# Altium PCB 2012_FDP_PCB.PcbDoc (part 1 of 3) (continued)
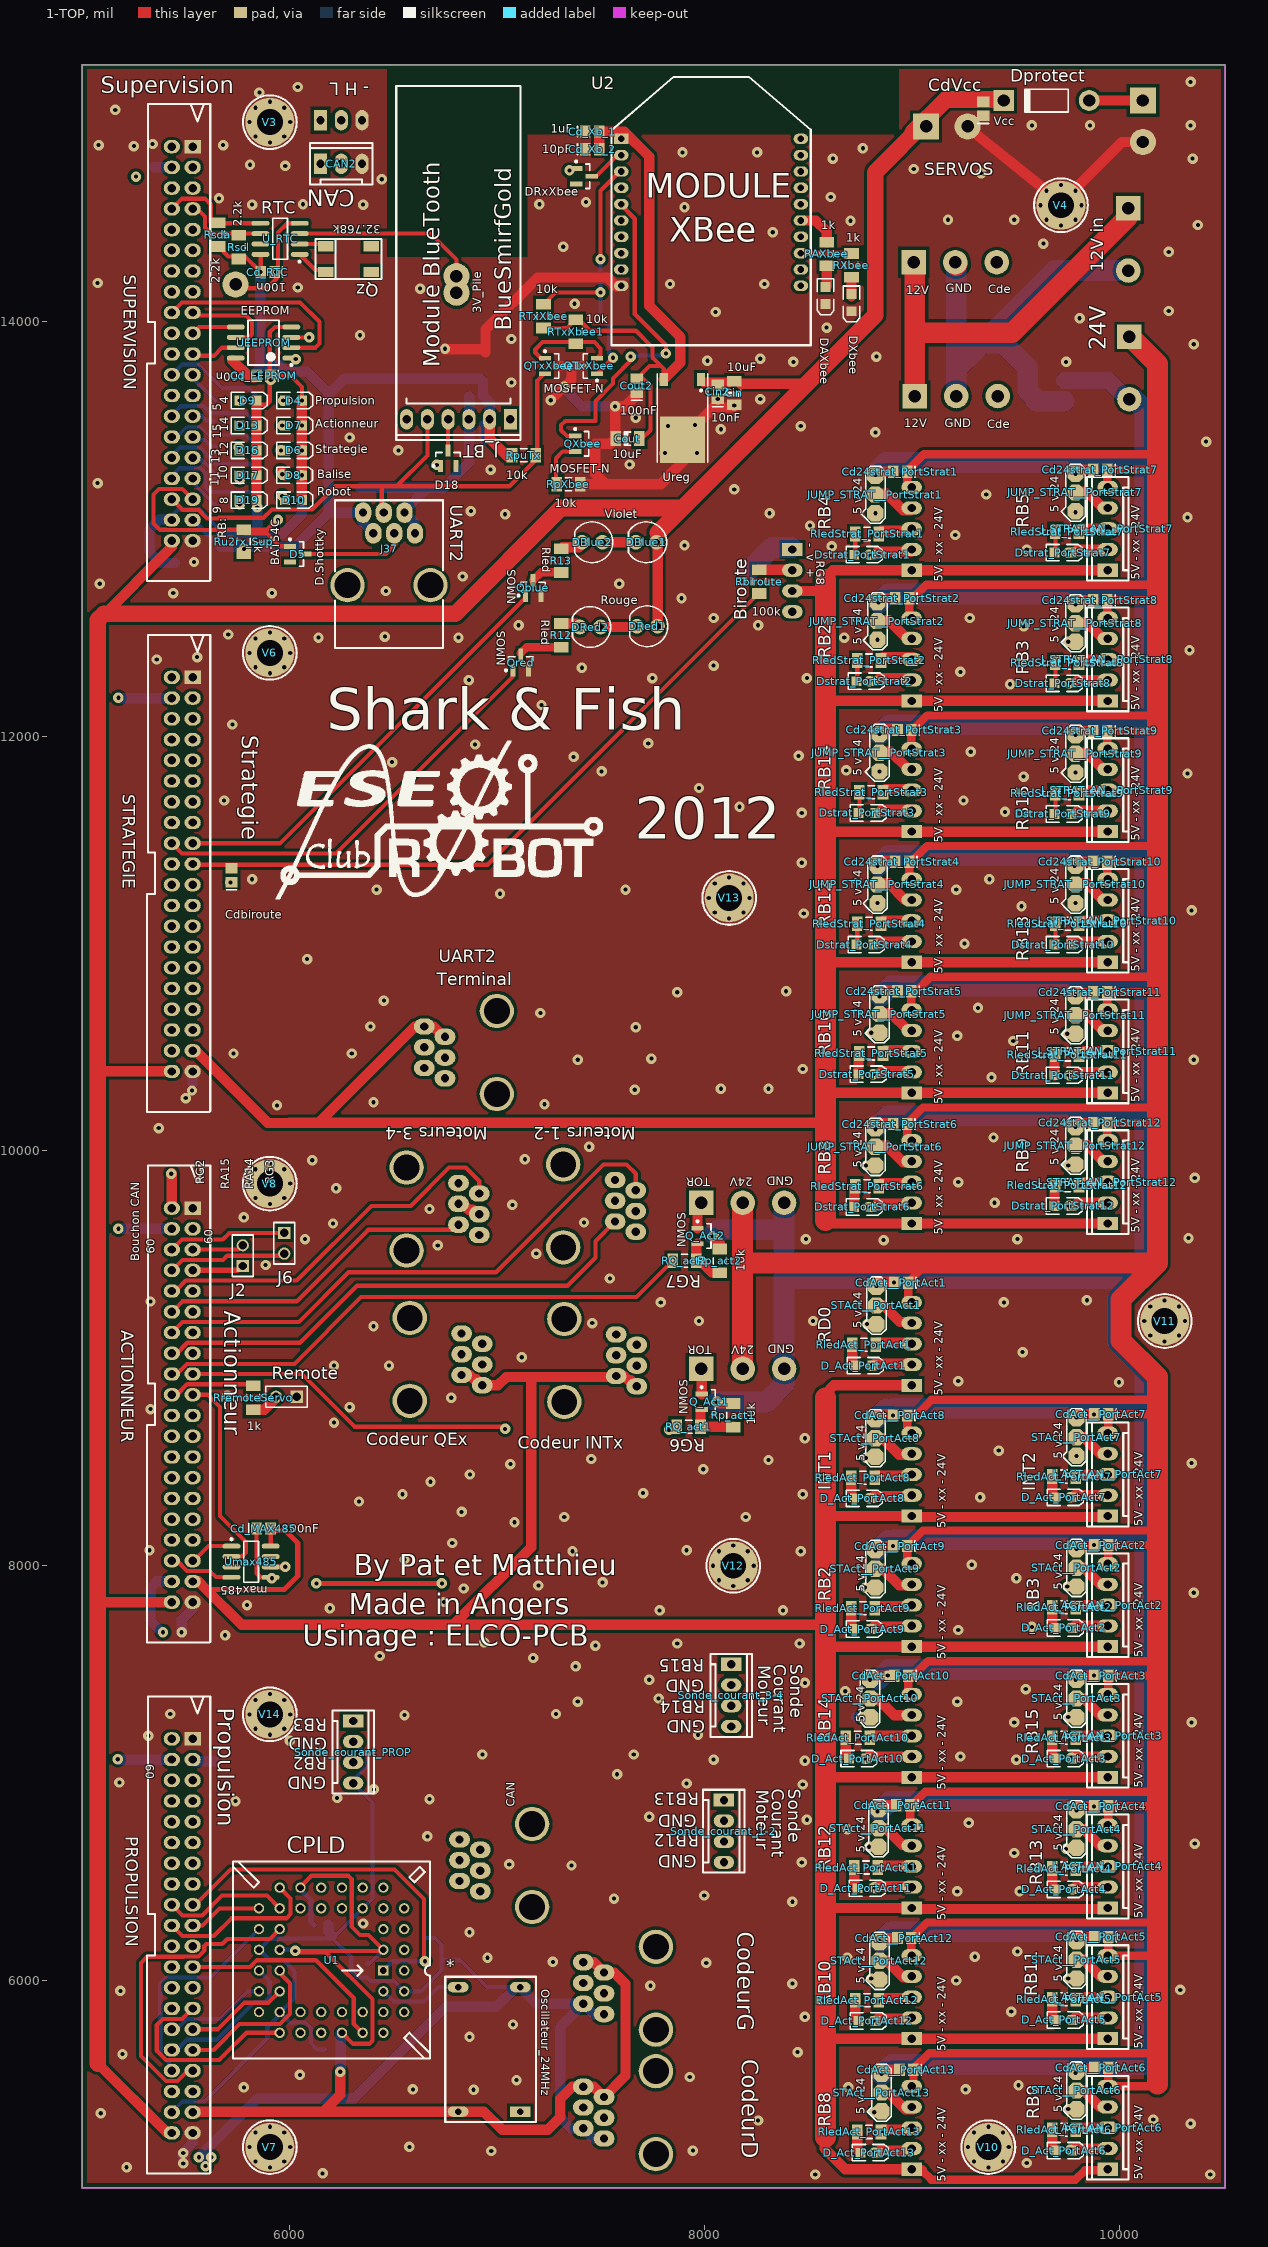
[diagram p0: 1-TOP view]
## Classes and differential pairs
channel class 2012_FDP_Generic_Port_Strat: PortStrat1 PortStrat2 PortStrat3 PortStrat4 PortStrat5 PortStrat6 PortStrat7 PortStrat8 PortStrat9 PortStrat10 PortStrat11 PortStrat12
channel class 2012_FDP_Generic_Port_Act: PortAct1 PortAct2 PortAct3 PortAct4 PortAct5 PortAct6 PortAct7 PortAct8 PortAct9 PortAct10 PortAct11 PortAct12 PortAct13
component class PortStrat12: Cd24strat_PortStrat12 Dstrat_PortStrat12 J_STRAT_AN__PortStrat12 JUMP_STRAT__PortStrat12 RledStrat_PortStrat12
component class PortStrat11: Cd24strat_PortStrat11 Dstrat_PortStrat11 J_STRAT_AN__PortStrat11 JUMP_STRAT__PortStrat11 RledStrat_PortStrat11
component class PortStrat10: Cd24strat_PortStrat10 Dstrat_PortStrat10 J_STRAT_AN__PortStrat10 JUMP_STRAT__PortStrat10 RledStrat_PortStrat10
component class PortStrat9: Cd24strat_PortStrat9 Dstrat_PortStrat9 J_STRAT_AN__PortStrat9 JUMP_STRAT__PortStrat9 RledStrat_PortStrat9
component class PortStrat8: Cd24strat_PortStrat8 Dstrat_PortStrat8 J_STRAT_AN__PortStrat8 JUMP_STRAT__PortStrat8 RledStrat_PortStrat8
component class PortStrat7: Cd24strat_PortStrat7 Dstrat_PortStrat7 J_STRAT_AN__PortStrat7 JUMP_STRAT__PortStrat7 RledStrat_PortStrat7
component class PortStrat6: Cd24strat_PortStrat6 Dstrat_PortStrat6 J_STRAT_AN__PortStrat6 JUMP_STRAT__PortStrat6 RledStrat_PortStrat6
component class PortStrat5: Cd24strat_PortStrat5 Dstrat_PortStrat5 J_STRAT_AN__PortStrat5 JUMP_STRAT__PortStrat5 RledStrat_PortStrat5
component class PortStrat4: Cd24strat_PortStrat4 Dstrat_PortStrat4 J_STRAT_AN__PortStrat4 JUMP_STRAT__PortStrat4 RledStrat_PortStrat4
component class PortStrat3: Cd24strat_PortStrat3 Dstrat_PortStrat3 J_STRAT_AN__PortStrat3 JUMP_STRAT__PortStrat3 RledStrat_PortStrat3
component class PortStrat2: Cd24strat_PortStrat2 Dstrat_PortStrat2 J_STRAT_AN__PortStrat2 JUMP_STRAT__PortStrat2 RledStrat_PortStrat2
component class PortStrat1: Cd24strat_PortStrat1 Dstrat_PortStrat1 J_STRAT_AN__PortStrat1 JUMP_STRAT__PortStrat1 RledStrat_PortStrat1
component class PortAct13: CdAct__PortAct13 D_Act_PortAct13 J_ACT_AN__PortAct13 RledAct_PortAct13 STAct__PortAct13
component class PortAct12: CdAct__PortAct12 D_Act_PortAct12 J_ACT_AN__PortAct12 RledAct_PortAct12 STAct__PortAct12
component class PortAct11: CdAct__PortAct11 D_Act_PortAct11 J_ACT_AN__PortAct11 RledAct_PortAct11 STAct__PortAct11
component class PortAct10: CdAct__PortAct10 D_Act_PortAct10 J_ACT_AN__PortAct10 RledAct_PortAct10 STAct__PortAct10
component class PortAct9: CdAct__PortAct9 D_Act_PortAct9 J_ACT_AN__PortAct9 RledAct_PortAct9 STAct__PortAct9
component class PortAct8: CdAct__PortAct8 D_Act_PortAct8 J_ACT_AN__PortAct8 RledAct_PortAct8 STAct__PortAct8
component class PortAct7: CdAct__PortAct7 D_Act_PortAct7 J_ACT_AN__PortAct7 RledAct_PortAct7 STAct__PortAct7
component class PortAct6: CdAct__PortAct6 D_Act_PortAct6 J_ACT_AN__PortAct6 RledAct_PortAct6 STAct__PortAct6
component class PortAct5: CdAct__PortAct5 D_Act_PortAct5 J_ACT_AN__PortAct5 RledAct_PortAct5 STAct__PortAct5
component class PortAct4: CdAct__PortAct4 D_Act_PortAct4 J_ACT_AN__PortAct4 RledAct_PortAct4 STAct__PortAct4
component class PortAct3: CdAct__PortAct3 D_Act_PortAct3 J_ACT_AN__PortAct3 RledAct_PortAct3 STAct__PortAct3
component class PortAct2: CdAct__PortAct2 D_Act_PortAct2 J_ACT_AN__PortAct2 RledAct_PortAct2 STAct__PortAct2
component class PortAct1: CdAct__PortAct1 D_Act_PortAct1 J_ACT_AN__PortAct1 RledAct_PortAct1 STAct__PortAct1
net class STRAT_IN_OUT[0..12]: STRAT_IN_OUT1 STRAT_IN_OUT2 STRAT_IN_OUT3 STRAT_IN_OUT4 STRAT_IN_OUT5 STRAT_IN_OUT6 STRAT_IN_OUT7 STRAT_IN_OUT8 STRAT_IN_OUT9 STRAT_IN_OUT10 STRAT_IN_OUT11 STRAT_IN_OUT12
net class ACT_IN_OUT[0..13]: ACT_IN_OUT1 ACT_IN_OUT2 ACT_IN_OUT3 ACT_IN_OUT4 ACT_IN_OUT5 ACT_IN_OUT6 ACT_IN_OUT7 ACT_IN_OUT8 ACT_IN_OUT9 ACT_IN_OUT10 ACT_IN_OUT11 ACT_IN_OUT12 ACT_IN_OUT13
component class 2012_FDP_SCHEMA: * ACTIONNEUR CAN CAN2 Cd1_CPLD Cd2_CPLD Cd3_CPLD Cd4_CPLD Cd_BT_1 Cd_BT_2 Cd_EEPROM Cd_MAX485 Cd_RTC Cd_Xb_1 Cd_Xb_2 Cdbiroute CdVcc Cin Cin2 Cout Cout2 CR2032 D4 D5 D6 D7 D8 D9 D10 D11 D12 D13 D14 D15 D16 D17 D18 D19 D? DAXbee DBlue1 DBlue2 Dprotect DRed1 DRed2 DRxXbee DXbee J2 J3 J6 J15 J18 J19 J21 J24 J31 J37 J? J_8V_in J_12V_in J_ACT_COD_INT J_ACT_COD_QEx J_ACT_MOT12 J_ACT_MOT_34 J_BIROUTE J_BT J_U2ST JalimBal JalimeBlal24V JcodDroite JcodGauche JMotProp P3 P? PROPULSION Q_Act1 Q_Act2 Qblue Qred QTxXbee QTxXbee1 QXbee Qz R4 R5 R6 R7 R8 R9 R10 R11 R12 R13 R14 R15 R16 R? RAXbee Rbiroute RcanB1 RcanB2 RcanB3 RcanB4 RcanB? Remote Rp_act1 Rp_act2 RpuTx RpXbee RQ_act1 RQ_act2 RremoteServo RrstCpld Rscl Rsda RTxXbee RTxXbee1 Ru2rx_Sup RXbee S1 S2 Sonde_courant_1-2 Sonde_courant_3-4 Sonde_courant_PROP SR1 SR2 ST4 ST? St_GND STAct STProp STRATEGIE STStrat STSup SUPERVISION TR1 U1 U2 U7 U_RTC UEEPROM Umax485 Ureg V3 V4 V6 V7 V8 V10 V11 V12 V13 V14

## Components (designator, comment, footprint, x,y, rotation, side; value= is the part's Value field where it differs from the comment)
* "Oscillateur CPLD" DIL14_OSCILLATEUR 7113.07,5368.15 r180 top
ACTIONNEUR "ACTIONNEUR" HE10/40_MAL_DROIT-FDP-ROBOT 5433.07,9724.41 r270 top locked
CAN "BARRETTE3" HE14_3 6150,14970 r0 bottom
CAN2 "BARRETTE3" HE14_3 6150,14760 r0 top
Cd1_CPLD "Condensateur" C0805_N 6373.07,6048.15 r90 bottom
Cd2_CPLD "Condensateur" C0805_N 6033.07,6188.15 r270 bottom
Cd3_CPLD "Condensateur" C0805_N 6213.07,5668.15 r0 bottom
Cd4_CPLD "Condensateur" C0805_N 6153.07,6268.15 r180 bottom
Cd24strat_PortStrat1 "10nF" C0805_N 8945,13275 r180 top (schematic designator Cd24strat)
Cd24strat_PortStrat2 "10nF" C0805_N 8955,12665 r180 top (schematic designator Cd24strat)
Cd24strat_PortStrat3 "10nF" C0805_N 8965,12030 r180 top (schematic designator Cd24strat)
Cd24strat_PortStrat4 "10nF" C0805_N 8955,11395 r180 top (schematic designator Cd24strat)
Cd24strat_PortStrat5 "10nF" C0805_N 8965,10770 r180 top (schematic designator Cd24strat)
Cd24strat_PortStrat6 "10nF" C0805_N 8945,10130 r180 top (schematic designator Cd24strat)
Cd24strat_PortStrat7 "10nF" C0805_N 9910,13285 r180 top (schematic designator Cd24strat)
Cd24strat_PortStrat8 "10nF" C0805_N 9910,12655 r180 top (schematic designator Cd24strat)
Cd24strat_PortStrat9 "10nF" C0805_N 9910,12025 r180 top (schematic designator Cd24strat)
Cd24strat_PortStrat10 "10nF" C0805_N 9910,11395 r180 top (schematic designator Cd24strat)
Cd24strat_PortStrat11 "10nF" C0805_N 9910,10765 r180 top (schematic designator Cd24strat)
Cd24strat_PortStrat12 "10nF" C0805_N 9910,10135 r180 top (schematic designator Cd24strat)
Cd_BT_1 "10uF" C0805_N 6900,13638.07 r0 bottom
Cd_BT_2 "100nF" C0805_N 6900,13413.07 r0 bottom
Cd_EEPROM "100nF" C0805_N 5875,13738.07 r180 top
Cd_MAX485 "100nF" C0805_N 5875,8179.41 r0 top
Cd_RTC "100nF" C0805_N 5895,14238.07 r180 top
Cd_Xb_1 "1uF" C0805_N 7460,14915 r0 top
Cd_Xb_2 "10pF" C0805_N 7460,14830 r0 top
CdAct__PortAct1 "10nF" C0805_N 8950,9365 r180 top (schematic designator CdAct_)
CdAct__PortAct2 "10nF" C0805_N 9915,8100 r180 top (schematic designator CdAct_)
CdAct__PortAct3 "10nF" C0805_N 9915,7470 r180 top (schematic designator CdAct_)
CdAct__PortAct4 "10nF" C0805_N 9915,6840 r180 top (schematic designator CdAct_)
CdAct__PortAct5 "10nF" C0805_N 9915,6210 r180 top (schematic designator CdAct_)
CdAct__PortAct6 "10nF" C0805_N 9915,5580 r180 top (schematic designator CdAct_)
CdAct__PortAct7 "10nF" C0805_N 9915,8730 r180 top (schematic designator CdAct_)
CdAct__PortAct8 "10nF" C0805_N 8945,8725 r180 top (schematic designator CdAct_)
CdAct__PortAct9 "10nF" C0805_N 8945,8095 r180 top (schematic designator CdAct_)
CdAct__PortAct10 "10nF" C0805_N 8950,7470 r180 top (schematic designator CdAct_)
CdAct__PortAct11 "10nF" C0805_N 8960,6845 r180 top (schematic designator CdAct_)
CdAct__PortAct12 "10nF" C0805_N 8965,6205 r180 top (schematic designator CdAct_)
CdAct__PortAct13 "10nF" C0805_N 8975,5570 r180 top (schematic designator CdAct_)
Cdbiroute "Condensateur" C0805_N 5720,11330 r90 top
CdVcc "Condensateur" C0805_N 9345,15025 r90 top
Cin "10uF" C1206_N 8145,13655 r90 top
Cin2 "10nF" C0805_N 8065,13660 r90 top
Cout "10uF" C1206_N 7630,13435 r0 top
Cout2 "100nF" C0805_N 7675,13690 r90 top
CR2032 "battery" Pile_boutton 5740,14178.07 r0 bottom (schematic designator Batt1)
D4 "LED" LED_0805 6020,13618.07 r0 top
D5 "D.Shottky" SOT23-3N 6040,12878.07 r0 top
D6 "LED" LED_0805 6020,13378.07 r0 top
D7 "LED" LED_0805 6020,13498.07 r0 top
D8 "LED" LED_0805 6018.66,13258.07 r0 top
D9 "LED" LED_0805 5800,13618.07 r0 top
D10 "LED" LED_0805 6020,13138.07 r0 top
D13 "LED" LED_0805 5800,13498.07 r0 top
D16 "LED" LED_0805 5800,13378.07 r0 top
D17 "LED" LED_0805 5800,13258.07 r0 top
D18 "Diode Shottky double BAT54C" SOT23-3N 6765,13340 r90 top
D19 "LED" LED_0805 5800,13138.07 r0 top
D_Act_PortAct1 "LED" LED_0805 8770,8965 r0 top (schematic designator D_Act)
D_Act_PortAct2 "LED" LED_0805 9735,7700 r0 top (schematic designator D_Act)
D_Act_PortAct3 "LED" LED_0805 9735,7070 r0 top (schematic designator D_Act)
D_Act_PortAct4 "LED" LED_0805 9735,6440 r0 top (schematic designator D_Act)
D_Act_PortAct5 "LED" LED_0805 9735,5810 r0 top (schematic designator D_Act)
D_Act_PortAct6 "LED" LED_0805 9735,5180 r0 top (schematic designator D_Act)
D_Act_PortAct7 "LED" LED_0805 9735,8330 r0 top (schematic designator D_Act)
D_Act_PortAct8 "LED" LED_0805 8765,8325 r0 top (schematic designator D_Act)
D_Act_PortAct9 "LED" LED_0805 8765,7695 r0 top (schematic designator D_Act)
D_Act_PortAct10 "LED" LED_0805 8740,7070 r0 top (schematic designator D_Act)
D_Act_PortAct11 "LED" LED_0805 8780,6445 r0 top (schematic designator D_Act)
D_Act_PortAct12 "LED" LED_0805 8785,5805 r0 top (schematic designator D_Act)
D_Act_PortAct13 "LED" LED_0805 8795,5170 r0 top (schematic designator D_Act)
DAXbee "LED Jaune" LED_0805 8585,14125 r270 top (schematic designator DAssociateXbee)
DBlue1 "LED" LED_5mm 7720,12935 r90 top
DBlue2 "LED" LED_5mm 7460,12935 r90 top
Dprotect "Diode 1N4001" DIO10.46-5.3x2.8 9650,15065 r180 top
DRed1 "LED" LED_5mm 7725,12530 r90 top
DRed2 "LED" LED_5mm 7450,12526.3 r90 top
DRxXbee "Diode Shottky double BAT54C" SOT23-3N 7420,14700 r0 top
Dstrat_PortStrat1 "LED" LED_0805 8765,12875 r0 top (schematic designator Dstrat)
Dstrat_PortStrat2 "LED" LED_0805 8775,12265 r0 top (schematic designator Dstrat)
Dstrat_PortStrat3 "LED" LED_0805 8785,11630 r0 top (schematic designator Dstrat)
Dstrat_PortStrat4 "LED" LED_0805 8775,10995 r0 top (schematic designator Dstrat)
Dstrat_PortStrat5 "LED" LED_0805 8785,10370 r0 top (schematic designator Dstrat)
Dstrat_PortStrat6 "LED" LED_0805 8765,9730 r0 top (schematic designator Dstrat)
Dstrat_PortStrat7 "LED" LED_0805 9730,12885 r0 top (schematic designator Dstrat)
Dstrat_PortStrat8 "LED" LED_0805 9730,12255 r0 top (schematic designator Dstrat)
Dstrat_PortStrat9 "LED" LED_0805 9730,11625 r0 top (schematic designator Dstrat)
Dstrat_PortStrat10 "LED" LED_0805 9730,10995 r0 top (schematic designator Dstrat)
Dstrat_PortStrat11 "LED" LED_0805 9730,10365 r0 top (schematic designator Dstrat)
Dstrat_PortStrat12 "LED" LED_0805 9730,9735 r0 top (schematic designator Dstrat)
DXbee "LED Verte" LED_0805 8710,14090 r270 top
J2 "BARRETTE2" HDR1X2 5775,9445 r90 top
J6 "BARRETTE2" HDR1X2 5975,9605 r270 top
J37 "UART2 SUPERVISION" RJ11_6/6 6555,13078.07 r270 top
J_8V_in "8V" BORNIER2 10115,15065 r270 bottom
J_12V_in "0 - 12V" BORNIER2_FEM_COUDE 10045,14545 r270 bottom
J_ACT_AN__PortAct1 "ACT_AN" HE14_5 9000,8870 r90 bottom (schematic designator J_ACT_AN_)
J_ACT_AN__PortAct2 "ACT_AN" HE14_5 9945,7610 r90 top (schematic designator J_ACT_AN_)
J_ACT_AN__PortAct3 "ACT_AN" HE14_5 9945,6980 r90 top (schematic designator J_ACT_AN_)
J_ACT_AN__PortAct4 "ACT_AN" HE14_5 9945,6350 r90 top (schematic designator J_ACT_AN_)
J_ACT_AN__PortAct5 "ACT_AN" HE14_5 9945,5720 r90 top (schematic designator J_ACT_AN_)
J_ACT_AN__PortAct6 "ACT_AN" HE14_5 9945,5090 r90 top (schematic designator J_ACT_AN_)
J_ACT_AN__PortAct7 "ACT_AN" HE14_5 9945,8240 r90 top (schematic designator J_ACT_AN_)
J_ACT_AN__PortAct8 "ACT_AN" HE14_5 9000,8240 r90 bottom (schematic designator J_ACT_AN_)
J_ACT_AN__PortAct9 "ACT_AN" HE14_5 9000,7610 r90 bottom (schematic designator J_ACT_AN_)
J_ACT_AN__PortAct10 "ACT_AN" HE14_5 9000,6980 r90 bottom (schematic designator J_ACT_AN_)
J_ACT_AN__PortAct11 "ACT_AN" HE14_5 9000,6350 r90 bottom (schematic designator J_ACT_AN_)
J_ACT_AN__PortAct12 "ACT_AN" HE14_5 9000,5720 r90 bottom (schematic designator J_ACT_AN_)
J_ACT_AN__PortAct13 "ACT_AN" HE14_5 9000,5090 r90 bottom (schematic designator J_ACT_AN_)
J_ACT_COD_INT "CODEUR ACT IT" "RJ11_6/6 - droit" 7675,9065 r180 bottom
J_ACT_COD_QEx "CODEUR ACT QEx" "RJ11_6/6 - droit" 6930,9070 r180 bottom
J_ACT_MOT12 "MOTEUR 1-2" "RJ11_6/6 - droit" 6915,9795 r180 bottom
J_ACT_MOT_34 "MOTEUR 3-4" "RJ11_6/6 - droit" 7670,9810 r180 bottom
J_BIROUTE "BIROUTE" HE14_4 8425,12900 r270 bottom
J_BT "MHDR1X6" HE14_6 7065,13528.07 r180 top
J_STRAT_AN__PortStrat1 "STRAT_AN" HE14_5 9000,12800 r90 bottom (schematic designator J_STRAT_AN_)
J_STRAT_AN__PortStrat2 "STRAT_AN" HE14_5 9000,12170 r90 bottom (schematic designator J_STRAT_AN_)
J_STRAT_AN__PortStrat3 "STRAT_AN" HE14_5 9000,11540 r90 bottom (schematic designator J_STRAT_AN_)
J_STRAT_AN__PortStrat4 "STRAT_AN" HE14_5 9000,10910 r90 bottom (schematic designator J_STRAT_AN_)
J_STRAT_AN__PortStrat5 "STRAT_AN" HE14_5 9000,10280 r90 bottom (schematic designator J_STRAT_AN_)
J_STRAT_AN__PortStrat6 "STRAT_AN" HE14_5 9000,9650 r90 bottom (schematic designator J_STRAT_AN_)
J_STRAT_AN__PortStrat7 "STRAT_AN" HE14_5 9945,12800 r90 top (schematic designator J_STRAT_AN_)
J_STRAT_AN__PortStrat8 "STRAT_AN" HE14_5 9945,12170 r90 top (schematic designator J_STRAT_AN_)
J_STRAT_AN__PortStrat9 "STRAT_AN" HE14_5 9945,11540 r90 top (schematic designator J_STRAT_AN_)
J_STRAT_AN__PortStrat10 "STRAT_AN" HE14_5 9945,10910 r90 top (schematic designator J_STRAT_AN_)
J_STRAT_AN__PortStrat11 "STRAT_AN" HE14_5 9945,10280 r90 top (schematic designator J_STRAT_AN_)
J_STRAT_AN__PortStrat12 "STRAT_AN" HE14_5 9945,9650 r90 top (schematic designator J_STRAT_AN_)
J_U2ST "UART2 STRATEGIE" "RJ11_6/6 - droit" 6650,10400 r0 bottom
JalimBal "8V BALISE 2" BORNIER2 9070,14940 r0 bottom
JalimeBlal24V "24V_in" BORNIER2_FEM_COUDE 10050,13925 r270 bottom
JcodDroite "CODEUR2" "RJ11_6/6 - droit" 7416.85,5288.07 r0 bottom
JcodGauche "CODEUR1" "RJ11_6/6 - droit" 7416.85,5888.07 r0 bottom
JMotProp "PROPULSION" "RJ11_6/6 - droit" 6820,6480 r0 bottom
JUMP_STRAT__PortStrat1 "Goutte Strap_3" "Goutte Strap_3" 8825,13075 r90 top (schematic designator JUMP_STRAT_)
JUMP_STRAT__PortStrat2 "Goutte Strap_3" "Goutte Strap_3" 8835,12465 r90 top (schematic designator JUMP_STRAT_)
JUMP_STRAT__PortStrat3 "Goutte Strap_3" "Goutte Strap_3" 8845,11830 r90 top (schematic designator JUMP_STRAT_)
JUMP_STRAT__PortStrat4 "Goutte Strap_3" "Goutte Strap_3" 8835,11195 r90 top (schematic designator JUMP_STRAT_)
JUMP_STRAT__PortStrat5 "Goutte Strap_3" "Goutte Strap_3" 8845,10570 r90 top (schematic designator JUMP_STRAT_)
JUMP_STRAT__PortStrat6 "Goutte Strap_3" "Goutte Strap_3" 8825,9930 r90 top (schematic designator JUMP_STRAT_)
JUMP_STRAT__PortStrat7 "Goutte Strap_3" "Goutte Strap_3" 9790,13085 r90 top (schematic designator JUMP_STRAT_)
JUMP_STRAT__PortStrat8 "Goutte Strap_3" "Goutte Strap_3" 9790,12455 r90 top (schematic designator JUMP_STRAT_)
JUMP_STRAT__PortStrat9 "Goutte Strap_3" "Goutte Strap_3" 9790,11825 r90 top (schematic designator JUMP_STRAT_)
JUMP_STRAT__PortStrat10 "Goutte Strap_3" "Goutte Strap_3" 9790,11195 r90 top (schematic designator JUMP_STRAT_)
JUMP_STRAT__PortStrat11 "Goutte Strap_3" "Goutte Strap_3" 9790,10565 r90 top (schematic designator JUMP_STRAT_)
JUMP_STRAT__PortStrat12 "Goutte Strap_3" "Goutte Strap_3" 9790,9935 r90 top (schematic designator JUMP_STRAT_)
PROPULSION "PROPULSION" HE10/40_MAL_DROIT-FDP-ROBOT 5433.07,7165.35 r270 top locked
Q_Act1 "Transistor MOSFET-N" SOT23-3N 8025,8790 r0 top
Q_Act2 "Transistor MOSFET-N" SOT23-3N 8005,9590 r0 top
Qblue "Transistor MOSFET-N" SOT23-3N 7175,12715 r90 top
Qred "Transistor MOSFET-N" SOT23-3N 7115,12355 r90 top
QTxXbee "Transistor MOSFET-N" SOT23-3N 7445,13785 r180 top
QTxXbee1 "MOSFET-N" SOT23-3N 7270,13785 r0 top
QXbee "MOSFET-N" SOT23-3N 7415,13410 r0 top
Qz "Quartz_ABS25" Quartz_ABS25 6175,14238.07 r0 top
R4 "1K" R1206_N 5900,13638.07 r0 bottom
R6 "1K" R1206_N 5900,13398.07 r0 bottom
R7 "1K" R1206_N 5900,13518.07 r0 bottom
R8 "1K" R1206_N 5900,13278.07 r0 bottom
R9 "1K" R1206_N 5700,13618.07 r0 bottom
R10 "1K" R1206_N 5900,13178.07 r0 bottom
R11 "1K" R1206_N 5700,13505 r0 bottom
R12 "100" R1206_N 7310,12486.3 r90 top
R13 "100" R1206_N 7310,12846.3 r90 top
R14 "1K" R1206_N 5700,13398.07 r0 bottom
R15 "1K" R1206_N 5700,13238.07 r0 bottom
R16 "1K" R1206_N 5700,13118.07 r0 bottom
RAXbee "1k" R1206_N 8590,14325 r270 top (schematic designator RAssociateXbee)
Rbiroute "100k" R1206_N 8265,12745 r90 top
RcanB1 "60" R1206_N 5640,7115 r270 bottom
RcanB2 "60" R1206_N 5245,14755 r270 bottom
RcanB3 "60" R1206_N 5317.07,7125 r90 bottom
RcanB4 "60" R1206_N 5345,14800 r90 bottom
Remote "BARRETTE2" HDR1X2 6035,8815 r180 top
RledAct_PortAct1 "1K" R1206_N 8770,9065 r180 top (schematic designator RledAct)
RledAct_PortAct2 "1K" R1206_N 9735,7800 r180 top (schematic designator RledAct)
RledAct_PortAct3 "1K" R1206_N 9735,7170 r180 top (schematic designator RledAct)
RledAct_PortAct4 "1K" R1206_N 9735,6540 r180 top (schematic designator RledAct)
RledAct_PortAct5 "1K" R1206_N 9735,5910 r180 top (schematic designator RledAct)
RledAct_PortAct6 "1K" R1206_N 9735,5280 r180 top (schematic designator RledAct)
RledAct_PortAct7 "1K" R1206_N 9735,8430 r180 top (schematic designator RledAct)
RledAct_PortAct8 "1K" R1206_N 8765,8425 r180 top (schematic designator RledAct)
RledAct_PortAct9 "1K" R1206_N 8765,7795 r180 top (schematic designator RledAct)
RledAct_PortAct10 "1K" R1206_N 8740,7170 r180 top (schematic designator RledAct)
RledAct_PortAct11 "1K" R1206_N 8780,6545 r180 top (schematic designator RledAct)
RledAct_PortAct12 "1K" R1206_N 8785,5905 r180 top (schematic designator RledAct)
RledAct_PortAct13 "1K" R1206_N 8795,5270 r180 top (schematic designator RledAct)
RledStrat_PortStrat1 "1K" R1206_N 8785,12975 r180 top (schematic designator RledStrat)
RledStrat_PortStrat2 "1K" R1206_N 8795,12365 r180 top (schematic designator RledStrat)
RledStrat_PortStrat3 "1K" R1206_N 8805,11730 r180 top (schematic designator RledStrat)
RledStrat_PortStrat4 "1K" R1206_N 8795,11095 r180 top (schematic designator RledStrat)
RledStrat_PortStrat5 "1K" R1206_N 8805,10470 r180 top (schematic designator RledStrat)
RledStrat_PortStrat6 "1K" R1206_N 8785,9830 r180 top (schematic designator RledStrat)
RledStrat_PortStrat7 "1K" R1206_N 9750,12985 r180 top (schematic designator RledStrat)
RledStrat_PortStrat8 "1K" R1206_N 9750,12355 r180 top (schematic designator RledStrat)
RledStrat_PortStrat9 "1K" R1206_N 9750,11725 r180 top (schematic designator RledStrat)
RledStrat_PortStrat10 "1K" R1206_N 9750,11095 r180 top (schematic designator RledStrat)
RledStrat_PortStrat11 "1K" R1206_N 9750,10465 r180 top (schematic designator RledStrat)
RledStrat_PortStrat12 "1K" R1206_N 9750,9835 r180 top (schematic designator RledStrat)
Rp_act1 "10k" R1206_N 8140,8725 r90 top
Rp_act2 "10k" R1206_N 8075,9470 r90 top
RpuTx "10k" R1206_N 7130,13355 r0 top
RpXbee "10k" R1206_N 7345,13215 r0 top
RQ_act1 "100" R1206_N 7925,8670 r180 top
RQ_act2 "100" R1206_N 7905,9470 r180 top
RremoteServo "1k" R1206_N 5825,8810 r270 top
RrstCpld "10K" R1206_N 6653.07,6148.15 r270 bottom
Rscl "2.2k" R1206_N 5755,14358.07 r270 top
Rsda "2.2k" R1206_N 5655,14418.07 r270 top
RTxXbee "10k" R1206_N 7225,14025 r90 top
RTxXbee1 "10k" R1206_N 7380,13950 r270 top
Ru2rx_Sup "1K" R1206_N 5780,12938.07 r270 top
RXbee "1k" R1206_N 8710,14270 r270 top
S1 "TOR1" BORNIER3_FEM_COUDE 7985,8950 r0 bottom
S2 "TOR2" BORNIER3_FEM_COUDE 7985,9750 r0 bottom
Sonde_courant_1-2 "BARRETTE4" HE14_4 8095,6870 r270 top
Sonde_courant_3-4 "BARRETTE4" HE14_4 8130,7525 r270 top
Sonde_courant_PROP "BARRETTE4" HE14_4 6306.93,7251.85 r270 top
SR1 "servo1" BORNIER3_FEM_COUDE 9010,14285 r0 bottom
SR2 "servo2" BORNIER3_FEM_COUDE 9015,13640 r0 bottom
St_GND "Goutte Strap_3" "Goutte Strap_3" 9735,13805 r270 bottom
STAct "Goutte Strap_3" "Goutte Strap_3" 5390,7680 r0 bottom
STAct__PortAct1 "Goutte Strap_3" "Goutte Strap_3" 8830,9165 r90 top (schematic designator STAct_)
STAct__PortAct2 "Goutte Strap_3" "Goutte Strap_3" 9795,7900 r90 top (schematic designator STAct_)
STAct__PortAct3 "Goutte Strap_3" "Goutte Strap_3" 9795,7270 r90 top (schematic designator STAct_)
STAct__PortAct4 "Goutte Strap_3" "Goutte Strap_3" 9795,6640 r90 top (schematic designator STAct_)
STAct__PortAct5 "Goutte Strap_3" "Goutte Strap_3" 9795,6010 r90 top (schematic designator STAct_)
STAct__PortAct6 "Goutte Strap_3" "Goutte Strap_3" 9795,5380 r90 top (schematic designator STAct_)
STAct__PortAct7 "Goutte Strap_3" "Goutte Strap_3" 9795,8530 r90 top (schematic designator STAct_)
STAct__PortAct8 "Goutte Strap_3" "Goutte Strap_3" 8825,8525 r90 top (schematic designator STAct_)
STAct__PortAct9 "Goutte Strap_3" "Goutte Strap_3" 8825,7895 r90 top (schematic designator STAct_)
STAct__PortAct10 "Goutte Strap_3" "Goutte Strap_3" 8800,7270 r90 top (schematic designator STAct_)
STAct__PortAct11 "Goutte Strap_3" "Goutte Strap_3" 8840,6645 r90 top (schematic designator STAct_)
STAct__PortAct12 "Goutte Strap_3" "Goutte Strap_3" 8845,6005 r90 top (schematic designator STAct_)
STAct__PortAct13 "Goutte Strap_3" "Goutte Strap_3" 8855,5370 r90 top (schematic designator STAct_)
STProp "Goutte Strap_3" "Goutte Strap_3" 5575,5140 r180 bottom
STRATEGIE "STRATEGIE" HE10/40_MAL_DROIT-FDP-ROBOT 5433.07,12283.46 r270 top locked
STStrat "Goutte Strap_3" "Goutte Strap_3" 5610,10290 r180 bottom
STSup "Goutte Strap_3" "Goutte Strap_3" 5450,12840 r0 bottom
SUPERVISION "SUPERVISION" HE10/40_MAL_DROIT-FDP-ROBOT 5433.07,14842.52 r270 top locked
U1 "CPLD EPM7064SLC44-10" PLCC44_SUPPORT 6553.07,6448.15 r270 top
U2 "XBee" MODULE_XBEE 7600,14880 r0 top
U_RTC "DS1307" SO8_N 5955,14398.07 r180 top
UEEPROM "25AA1024-I/SM" SOIJ-SM8_N 5875,13898.07 r180 top
Umax485 "MAX485CSA" NSO8_N 5815,8019.41 r0 top
Ureg "1924880" 369A-13 7895,13575 r180 top
V3 "Pad_M3" M3x6mm 5905.51,14960.63 r90 top locked
V4 "Pad_M3" M3x6mm 9720,14560 r0 top
V6 "Pad_M3" M3x6mm 5905.51,12401.57 r270 top locked
V7 "Pad_M3" M3x6mm 5905.51,5196.85 r0 top
V8 "Pad_M3" M3x6mm 5905.51,9842.52 r270 top locked
V10 "Pad_M3" M3x6mm 9370.08,5196.85 r0 top
V11 "Pad_M3" M3x6mm 10220,9180 r0 top
V12 "Pad_M3" M3x6mm 8140,8000 r0 top
V13 "Pad_M3" M3x6mm 8120,11220 r0 top
V14 "Pad_M3" M3x6mm 5905.51,7283.46 r90 top locked

## Footprints (in the part's own frame and the unit in brackets; to place one, negate y for a bottom-side part, rotate by r counter-clockwise, add the part's x,y. Pads: shape width x height; smd on the part's side, far side on the other; paste and mask are expansions set on the pad)
369A-13 [mm] "D-PAK/TO-252-AA; 3 Leads (1 Cropped); Body 10.3 (inc. leads) x 6.7 mm (LxW max)"
  rect 1x1.6 smd: 1(-2.285,-3.7) 3(2.285,-3.7)
  rect 5.5x5.7 smd: 4(0,3.7)
  silkscreen extent -3.09,-4.4 3.09,6.45
BORNIER2 [mm] "Connector; Header; 2 Position; screw terminal blocks, Pin Spacing=5.08mm"
  rect 3.2x3.2 hole 1.524: 1(0,0)
  round 3.2 hole 1.524: 2(5.08,0)
  silkscreen extent -2.54,-3.81 7.62,3.81
BORNIER2_FEM_COUDE [mm] "Connector; Header; 2 Position; Right Angle; Female; Pin Spacing=5.08mm Green"
  rect 3x3 hole 1.524: 1(0,0)
  round 3 hole 1.524: 2(7.62,0)
  silkscreen extent -3.56,-10.03 11.18,2.03
BORNIER3_FEM_COUDE [mm] "Connector; Header; 3 Position; Right Angle; Female; Pin Spacing=5.08mm Green"
  rect 3x3 hole 1.524: 1(0,0)
  round 3 hole 1.524: 2(5.08,0) 3(10.16,0)
  silkscreen extent -3.56,-10.03 13.72,2.03
C0805_N [mm] "Chip Capacitor, Body 2.0x1.3mm, IPC Medium Density"
  rect 1.3x1.5 smd: 1(-0.85,0) 2(0.85,0)
  silkscreen extent -1.8,-0.65 -1.8,0.65, body extent -0.99,-0.63 1.01,0.63, height 0.8
C1206_N [mm] "Chip Capacitor, Body 3.2x1.6mm, IPC Medium Density"
  rect 1.3x1.8 smd: 1(-1.45,0) 2(1.45,0)
  silkscreen extent -0.4,-0.8 0.4,0.8, body extent -1.57,-0.81 1.63,0.79, height 1.02
DIL14_OSCILLATEUR [mil]
  round 60 on Top Overlay: 0(-25,-66)
  rect 100x50 hole 32: 1(0,0)
  oval 100x50 hole 32: 7(0,-600) 8(300,-600) 14(300,0)
  silkscreen extent -76,-650 362,50
DIO10.46-5.3x2.8 [mil] "Diode, Axial; Body 5.2 x 2.7 mm (LxDia. max), Lead Dia. 0.86 mm (max)"
  round 100 hole 60: 1(-205.91,0)
  rect 100x100 hole 60: 2(205.91,0)
  silkscreen extent -104,-55 108,55
"Goutte Strap_3" [mm] "3 Pads CMS Goutte Strap"
  oct 2x2 smd: 1(0,0) 2(2.286,0) 3(4.572,0)
  silkscreen extent -1.22,-1.19 5.77,1.75
HDR1X2 [mm]
  rect 1.5x1.5 hole 1.016: 1(0,0)
  round 1.5 hole 1.016: 2(2.54,0)
  silkscreen extent -1.27,-1.27 3.81,1.27, body extent -1.27,-1.27 3.81,1.27, height 10.1
HE10/40_MAL_DROIT-FDP-ROBOT [mm] "Connector; HE10; 40 Position; Male; Right Angle; Pin Spacing=2.54mm"
  rect 1.63x2 hole 1.016: 1(0,2.54)
  oval 1.63x2 hole 1.016: 2(0,0) 3(2.54,2.54) 4(2.54,0) 5(5.08,2.54) 6(5.08,0) 7(7.62,2.54) 8(7.62,0) 9(10.16,2.54) 10(10.16,0) 11(12.7,2.54) 12(12.7,0) 13(15.24,2.54) 14(15.24,0) 15(17.78,2.54) 16(17.78,0) 17(20.32,2.54) 18(20.32,0) 19(22.86,2.54) 20(22.86,0) 21(25.4,2.54) 22(25.4,0) 23(27.94,2.54) 24(27.94,0) 25(30.48,2.54) 26(30.48,0) 27(33.02,2.54) 28(33.02,0) 29(35.56,2.54) 30(35.56,0) 31(38.1,2.54) 32(38.1,0) 33(40.64,2.54) 34(40.64,0) 35(43.18,2.54) 36(43.18,0) 37(45.72,2.54) 38(45.72,0) 39(48.26,2.54) 40(48.26,0)
  silkscreen extent -5.21,-3.02 53.21,4.7, body extent -5.21,-3.12 53.29,4.7, height 10
HE14_3 [mm] "Connector; HE14; 3 Position; Pin Spacing=2.54mm"
  rect 1.6x2.5 hole 1.016: 1(0,0)
  oval 1.6x2.5 hole 1.016: 2(2.54,0) 3(5.08,0)
  silkscreen extent -1.27,-2.54 6.35,2.54
HE14_4 [mm] "Connector; HE14; 4 Position; Pin Spacing=2.54mm"
  rect 1.6x2.5 hole 1.016: 1(0,0)
  oval 1.6x2.5 hole 1.016: 2(2.54,0) 3(5.08,0) 4(7.62,0)
  silkscreen extent -1.27,-2.54 8.89,2.54
HE14_5 [mm] "Connector; HE14; 5 Position; Pin Spacing=2.54mm"
  rect 1.6x2.5 hole 1.016: 1(0,0)
  oval 1.6x2.5 hole 1.016: 2(2.54,0) 3(5.08,0) 4(7.62,0) 5(10.16,0)
  silkscreen extent -1.27,-2.54 11.43,2.54
HE14_6 [mm] "Connector; HE14; 6 Position; Pin Spacing=2.54mm"
  rect 1.6x2.5 hole 1.016: 1(0,0)
  oval 1.6x2.5 hole 1.016: 2(2.54,0) 3(5.08,0) 4(7.62,0) 5(10.16,0) 6(12.7,0)
  silkscreen extent -1.27,-40.82 13.97,2.54
LED_5mm [mm] "LED 5mm; 2 Leads"
  round 1.8 hole 0.813: 1(0,-1.27) 2(0,1.27)
  silkscreen extent -2.5,-2.5 2.5,2.16, body extent -3.02,-2.99 3,2.51, height 12.31
LED_0805 [mm] "SM LED; 2 Flat Leads"
  rect 1.2x1.2 smd: 1(-1.05,0) 2(1.05,0)
  silkscreen extent -2.05,-1 2.35,1, body extent -1.05,-0.64 1.06,0.64, height 1.2
M3x6mm [mm] "Vis M3 X 6mm _TORX_Tête 6mm"
  round 0.8 hole 0.508: 1(-2.5,0) 1(-1.768,-1.768) 1(-1.768,1.768) 1(0,2.5) 1(0,-2.5) 1(1.768,-1.768) 1(1.768,1.768) 1(2.5,0)
  round 6 hole 3.175: 1(0,0)
  silkscreen extent -3.28,-3.29 3.28,3.29, body extent -2.84,-2.85 2.86,2.85, height 1.67
MODULE_XBEE [mil] "XBee Series 2 OEM RF Modules"
  rect 70x50 hole 32: 1(0,0)
  oval 70x50 hole 32: 2(0,-78.74) 3(0,-157.48) 4(0,-236.22) 5(0,-314.96) 6(0,-393.7) 7(0,-472.44) 8(0,-551.18) 9(0,-629.92) 10(0,-708.66) 11(866.14,-708.66) 12(866.14,-629.92) 13(866.14,-551.18) 14(866.14,-472.44) 15(866.14,-393.7) 16(866.14,-314.96) 17(866.14,-236.22) 18(866.14,-157.48) 19(866.14,-78.74) 20(866.14,0)
  silkscreen extent -48,-995 914,299, body extent -43,-992 917,305, height 122
NSO8_N [mm] "SOIC, 8-Leads, Body 4.9x3.9mm, Pitch 1.27mm, IPC Medium Density"
  oval 2.2x0.6 smd: 1(-2.4,1.905) 2(-2.4,0.635) 3(-2.4,-0.635) 4(-2.4,-1.905) 5(2.4,-1.905) 6(2.4,-0.635) 7(2.4,0.635) 8(2.4,1.905)
  silkscreen extent -2.52,-2.5 0.9,2.88, body extent -2,-2.5 2,2.5, height 1.75
Pile_boutton [mil]
  round 125.98 hole 60: 1(1065,-40) 1(1065,40) 2(0,0)
  silkscreen extent -35,-440 1135,440
PLCC44_SUPPORT [mil]
  rect 50x50 hole 32: 1(400,-100)
  round 50 hole 32: 2(300,0) 3(300,-100) 4(200,0) 5(200,-100) 6(100,0) 7(0,-100) 8(100,-100) 9(0,-200) 10(100,-200) 11(0,-300) 12(100,-300) 13(0,-400) 14(100,-400) 15(0,-500) 16(100,-500) 17(0,-600) 18(100,-700) 19(100,-600) 20(200,-700) 21(200,-600) 22(300,-700) 23(300,-600) 24(400,-700) 25(400,-600) 26(500,-700) 27(500,-600) 28(600,-700) 29(700,-600) 30(600,-600) 31(700,-500) 32(600,-500) 33(700,-400) 34(600,-400) 35(700,-300) 36(600,-300) 37(700,-200) 38(600,-200) 39(700,-100) 40(600,0) 41(600,-100) 42(500,0) 43(500,-100) 44(400,0)
  silkscreen extent -125,-825 825,125
Quartz_ABS25 [mil]
  rect 75x50 smd: 1(0,0) 2(220,0) 3(220,125) 4(0,125)
  silkscreen extent -49,-34 268,160
R1206_N [mm] "Chip Resistor, Body 3.2x1.6mm, IPC Medium Density"
  rect 1.3x1.8 smd: 1(-1.45,0) 2(1.45,0)
  silkscreen extent -0.4,-0.8 0.4,0.8, body extent -1.68,-0.87 1.68,0.87, height 0.71
RJ11_6/6 [mm] "Connector; RJ11; 6P/6C; Low Profil; Right Angle; Pin Spacing=2.54mm"
  oval 2.54x2 hole 1.016: 1(0,-5.08) 2(2.54,-3.82) 3(0,-2.54) 4(2.54,-1.27) 5(0,0) 6(2.54,1.27)
  round 4.2 hole 3.175: FIX1(8.89,3.18) FIX2(8.89,-6.98)
  silkscreen extent -1.51,-8.51 16.59,4.7
"RJ11_6/6 - droit" [mm] "Connector; RJ11; 6P/6C; Low Profil; Right Angle; Pin Spacing=2.54mm"
  oval 2.54x2 hole 1.016: 1(0,-5.08) 2(2.54,-3.82) 3(0,-2.54) 4(2.54,-1.27) 5(0,0) 6(2.54,1.27)
  round 4.2 hole 3.175: FIX1(8.89,3.18) FIX2(8.89,-6.98)
  silkscreen extent -1.51,-9.02 16.03,5, body extent -1.52,-9.04 15.83,4.98, height 16.38
SO8_N [mm] "8-Pin Small Outline Integrated Circuit 1.27 mm Pitch, IPC Medium Density"
  oval 2.2x0.6 smd: 1(-2.4,1.905) 2(-2.4,0.635) 3(-2.4,-0.635) 4(-2.4,-1.905) 5(2.4,-1.905) 6(2.4,-0.635) 7(2.4,0.635) 8(2.4,1.905)
  silkscreen extent -2.51,-2.5 0.9,2.92, body extent -2.89,-2.45 2.89,2.46, height 1.75
SOIJ-SM8_N [mm] "SOP, 8-Leads, Body 5.2x5.2mm, Pitch 1.27mm, IPC Medium Density"
  oval 2.2x0.6 smd: 1(-3.4,1.905) 2(-3.4,0.635) 3(-3.4,-0.635) 4(-3.4,-1.905) 5(3.4,-1.905) 6(3.4,-0.635) 7(3.4,0.635) 8(3.4,1.905)
  silkscreen extent -3.52,-2.75 1.9,2.88, body extent -2.73,-2.75 2.73,2.75, height 2.04
SOT23-3N [mm] "SOT23, 3-Leads, Body 2.9x1.3mm, Pitch 0.95mm, Lead Span 2.5mm, IPC Medium Density"
  rect 1.5x0.6 smd: 1(-0.95,0.95) 2(-0.95,-0.95) 3(0.95,0)
  silkscreen extent -1.07,-1.5 0.7,1.92, body extent -1.24,-1.5 1.23,1.5, height 1.1

## Part data
ACTIONNEUR PROPULSION STRATEGIE SUPERVISION: library part HE10/40, "Connector; HE10; 40 Position; Male"
CAN CAN2: "Header, 3-Pin"
Cd1_CPLD Cd2_CPLD Cd3_CPLD Cd4_CPLD Cdbiroute CdVcc: "Capacitor"
Cd24strat_PortStrat1 Cd24strat_PortStrat2 Cd24strat_PortStrat3 Cd24strat_PortStrat4 Cd24strat_PortStrat5 Cd24strat_PortStrat6 Cd24strat_PortStrat7 Cd24strat_PortStrat8 Cd24strat_PortStrat9 Cd24strat_PortStrat10 Cd24strat_PortStrat11 Cd24strat_PortStrat12 Cd_BT_1 Cd_BT_2 Cd_EEPROM Cd_MAX485 Cd_RTC Cd_Xb_1 Cd_Xb_2 CdAct__PortAct1 CdAct__PortAct2 CdAct__PortAct3 CdAct__PortAct4 CdAct__PortAct5 CdAct__PortAct6 CdAct__PortAct7 CdAct__PortAct8 CdAct__PortAct9 CdAct__PortAct10 CdAct__PortAct11 CdAct__PortAct12 CdAct__PortAct13: library part Condensateur, "Capacitor"
Cin Cin2 Cout Cout2: library part Capacitor, "Capacitor"
CR2032: "Battery, Pile"
D4 D6 D7 D8 D9 D10 D13 D16 D17 D19 D_Act_PortAct1 D_Act_PortAct2 D_Act_PortAct3 D_Act_PortAct4 D_Act_PortAct5 D_Act_PortAct6 D_Act_PortAct7 D_Act_PortAct8 D_Act_PortAct9 D_Act_PortAct10 D_Act_PortAct11 D_Act_PortAct12 D_Act_PortAct13 DBlue1 DBlue2 DRed1 DRed2 Dstrat_PortStrat1 Dstrat_PortStrat2 Dstrat_PortStrat3 Dstrat_PortStrat4 Dstrat_PortStrat5 Dstrat_PortStrat6 Dstrat_PortStrat7 Dstrat_PortStrat8 Dstrat_PortStrat9 Dstrat_PortStrat10 Dstrat_PortStrat11 Dstrat_PortStrat12: "Typical LED"
D5: library part "Diode Shottky double BAT54C", "DIODE SCHOTTKY DOUBLE"
D18 DRxXbee: "DIODE SCHOTTKY DOUBLE"
DAXbee DXbee: library part LED, "Typical LED"
Dprotect: "1 Amp General Purpose Rectifier"
J2 J6 Remote: "Header, 2-Pin"
J37 J_ACT_COD_INT J_ACT_COD_QEx J_ACT_MOT12 J_ACT_MOT_34 J_U2ST JcodDroite JcodGauche JMotProp: library part RJ11_6/6, "Right Angle, Standard Profile, Offset Latch DECconnect, Flangeless PCB Jack"
J_8V_in J_12V_in JalimBal JalimeBlal24V: library part BORNIER2, "Terminal blocks, 2 pins, pitch=5mm"
J_ACT_AN__PortAct1 J_ACT_AN__PortAct2 J_ACT_AN__PortAct3 J_ACT_AN__PortAct4 J_ACT_AN__PortAct5 J_ACT_AN__PortAct6 J_ACT_AN__PortAct7 J_ACT_AN__PortAct8 J_ACT_AN__PortAct9 J_ACT_AN__PortAct10 J_ACT_AN__PortAct11 J_ACT_AN__PortAct12 J_ACT_AN__PortAct13 J_STRAT_AN__PortStrat1 J_STRAT_AN__PortStrat2 J_STRAT_AN__PortStrat3 J_STRAT_AN__PortStrat4 J_STRAT_AN__PortStrat5 J_STRAT_AN__PortStrat6 J_STRAT_AN__PortStrat7 J_STRAT_AN__PortStrat8 J_STRAT_AN__PortStrat9 J_STRAT_AN__PortStrat10 J_STRAT_AN__PortStrat11 J_STRAT_AN__PortStrat12: library part BARRETTE5, "Header, 5-Pin"
J_BIROUTE: library part BARRETTE4, "Header, 4-Pin"
J_BT: "Header, 6-Pin"
Q_Act1 Q_Act2 Qblue Qred QTxXbee: "N-Channel MOSFET"
QTxXbee1 QXbee: library part "Transistor MOSFET-N", "N-Channel MOSFET"
R4 R6 R7 R8 R9 R10 R11 R12 R13 R14 R15 R16 RAXbee Rbiroute RcanB1 RcanB2 RcanB3 RcanB4 RledAct_PortAct1 RledAct_PortAct2 RledAct_PortAct3 RledAct_PortAct4 RledAct_PortAct5 RledAct_PortAct6 RledAct_PortAct7 RledAct_PortAct8 RledAct_PortAct9 RledAct_PortAct10 RledAct_PortAct11 RledAct_PortAct12 RledAct_PortAct13 RledStrat_PortStrat1 RledStrat_PortStrat2 RledStrat_PortStrat3 RledStrat_PortStrat4 RledStrat_PortStrat5 RledStrat_PortStrat6 RledStrat_PortStrat7 RledStrat_PortStrat8 RledStrat_PortStrat9 RledStrat_PortStrat10 RledStrat_PortStrat11 RledStrat_PortStrat12 Rp_act1 Rp_act2 RpuTx RpXbee RQ_act1 RQ_act2 RremoteServo RrstCpld Rscl Rsda RTxXbee RTxXbee1 Ru2rx_Sup RXbee: library part Resistor, "Resistor"
S1 S2 SR1 SR2: library part BORNIER3, "Terminal blocks, 2 pins, pitch=5mm"
Sonde_courant_1-2 Sonde_courant_3-4 Sonde_courant_PROP: "Header, 4-Pin"
U1: "MAX 7000S 5V In-System Programmable CPLD, 64 Macrocells, 44-Pin PLCC, Speed Grade 10, Commercial Grade"
U_RTC: "64 X 8 Serial Real-Time Clock"
UEEPROM: "1 Mbit SPI Bus Serial EEPROM, 8-Pin SOIC, Industrial Temperature"
Umax485: "Low-Power, Slew-Rate-Limited RS-485/RS-422 Transceiver"
Ureg: library part MC7805ACD2T, "Three-Terminal Positive Voltage Regulator"
V3 V4 V6 V7 V8 V10 V11 V12 V13 V14: library part "Vis M3 X 6mm _TORX_Tête 6mm", "Vis M3 X 6mm _TORX_Tête 6mm"

## Via types
v1: diameter 50, hole 20, 1-TOP to 4-BOT, 500 vias

## Nets (pads, with @x,y where several pads share a name; then routed paths per layer and width w, separated by ;. In a path a pad name is that pad's centre, name@x,y a point inside that pad or via, vN(x,y) a via of type N, cw(c..) or ccw(c..) an arc to the next point about the centre after c; other vN are vias at no path point)
3V3: Cd_Xb_1.2 Cd_Xb_2.2 Cout2.2 Cout.2 RTxXbee1.1 RTxXbee.1 U2.1 Ureg.3 | length 2818.2
  1-TOP w20: RTxXbee.1@7225,13967.91 RTxXbee.1@7232.09,13967.91 ; RTxXbee.1@7225,13975 RTxXbee.1@7232.09,13967.91 ; RTxXbee1.1@7370,14000 7337.91,13967.91 RTxXbee.1@7232.09,13967.91 ; RTxXbee1.1@7395,14010 7450,13955 7670,13955 7750,13875 7750,13825 7805.04,13769.96 Ureg.3@7805.04,13720.67 ; U2.1@7595,14865 U2.1@7595,14875 ; U2.1@7595,14880 U2.1@7595,14875 ; U2.1@7600,14880 U2.1@7595,14875 ; Cout.2@7700,13435 7740,13475 7740,13690 7690.77,13739.23 Cout2.2@7675,13723.46 7736.54,13785 7780,13785
  1-TOP w50: Cd_Xb_2.2@7493.46,14830 Cd_Xb_1.2@7493.46,14915 7615,14915 7735,14795 7735,14075 7885,13925 7885,13800.63 Ureg.3@7805.04,13720.67
12V: J_12V_in.1 SR1.1 SR2.1 | length 1967
  1-TOP w50: SR1.1@9010,14280 SR1.1@9015,14275
  1-TOP w100: SR2.1@9015,13640 9015,13945 ; SR1.1@9015,14290 9015,13945 ; J_12V_in.1@10040,14555 10040,14500 9485,13945 9015,13945